# Allegro board 038NC-GRIFFI-V9A_16_20260429.brd (continued)
## Routing (per net, layer and track width the routed paths; a pad name or vN(x,y) marks a point on that pad's centre or on a via; arc(x,y) is an arc through that point) (continued)
S2_NCHG / ATB0_F: length 24.3
  TOP w0.254: SITE2.F26 28.59,210.86 27.5,211.94 v1(27.5,213.78)
  L03_SIGNAL w0.076: UNK2K14.3 25.4,229.91 25.4,223.89 28.07,221.23 28.07,214.35 v1(27.5,213.78)
S2_NCHG / ATB0_S: length 23.8
  L03_SIGNAL w0.076: UNK2TP_NCHG/ATB0_S.1 27.14,231.38 28.8,229.71 28.8,217.16 29.74,216.22 29.74,211.84 28.59,210.68 v3(28.59,209.12)
S2_NPG / ATB1_F: length 26.7
  TOP w0.254: SITE2.F27 28.19,210.24 26.02,212.4 v1(26.02,213.78)
  L03_SIGNAL w0.076: v1(26.02,213.78) 25.22,214.58 25.22,218.91 18.03,226.1 18.03,229.82 UNK2K13.3
S2_NPG / ATB1_S: length 25.8
  L03_SIGNAL w0.076: UNK2K13.6 22.63,228.42 22.63,224.88 26.7,220.82 26.7,212.24 28.19,210.75 v3(28.19,209.12)
S2_NTC: length 42.9
  TOP w0.152: SITE2.S7 SITE2.F7 26.23,206.29 v1(22.63,202.69)
  L03_SIGNAL w0.076: v1(22.63,202.69) 22.63,172.97 27.13,168.47 UNK2TP_NTC.1
S2_NTC_K4K: length 31.6
  TOP w0.152: UNK2K5.3 21.84,167.9 22.99,166.75 27.79,166.75 28.63,167.59 28.63,168.61 UNK2K4.2 28.13,171.1 UNK2K6.3 32.99,169.5 32.99,167.59 33.78,166.8 40.96,166.8 UNK2K7.3
S2_SCL: length 9
  TOP w0.152: v1(35.36,201.57) 31.01,205.92 SITE2.F15 SITE2.S15 ; UNK2TP_SCL.1 UNK2SH40.2
S2_SCL_K9R: length 2.8
  BOTTOM w0.152: UNK2K9.5 42.28,146.94 UNK2R7.2
S2_SDA: length 7.5
  TOP w0.152: v1(32.8,201.57) 30.19,204.18 SITE2.F14 SITE2.S14 ; UNK2TP_SDA.1 UNK2SH41.2
S2_SDA_K9R: length 2.8
  BOTTOM w0.152: UNK2K9.4 38.64,146.94 UNK2R8.2
S2_VBAT_F: length 17.8
  TOP w0.152: SITE2.F1 25.77,208.69 v1(25.12,209.34)
  TOP w1.016: v1(22.62,211.3) 23.16,211.3 v1(25.12,209.34)
  BOTTOM w1.016: UNK2TP_VBAT_F.1 41.61,228.18 40.5,227.07 40.5,225.38 39.49,224.36 38.05,224.36 36.65,225.76 36.65,226.99 35.47,228.18 UNK2K11.3
S2_VBAT_K11C: length 54.1
  L03_SIGNAL w0.076: v1(42.06,178.21) 40.31,179.96 40.31,189.61 34.84,195.08 34.84,199.22 38.79,203.17 38.79,212.7 34.6,216.89 UNK2K11.4
S2_VBAT_K12: length 2.3
  BOTTOM w0.152: UNK2U1.6 33.08,238.15 v1(31.9,238.15)
S2_VBAT_S:
  vias: v3(27.36,208.69)
S2_VBUS_CK: length 6.5
  BOTTOM w0.152: UNK2C2.2 33.17,179.64 33.17,182.11 UNK2K1.3
S2_VSET: length 22
  TOP w0.152: v1(25.18,201.57) 27.79,204.18 SITE2.F8 SITE2.S8 ; UNK2TP_VEST.1 UNK2K3.3
  L03_SIGNAL w0.076: v1(25.18,201.57) 25.18,202.99 23.65,204.52 20.65,204.52 19.74,205.44 17.7,205.44 16.69,206.45 16.69,207.63 UNK2K3.3
S2_VSET_K3R: length 6.1
  BOTTOM w0.152: UNK2R1.2 16.23,201.71 16.23,205.88 UNK2K3.2
S3_AVSS_GS:
  vias: v1(51.62,268.34) v1(60.46,276.2) v1(60.47,274.78)
S3_AVSS_S[01]: length 6
  TOP w0.152: SITE3.S3 54.13,267.89 53.69,268.34 v1(52.62,268.34)
  BOTTOM w0.152: UNK3RS3.2 v1(52.62,268.34)
S3_EPAD2:
  vias: v1(61.46,276.2)
S3_NCHG / ATB0_F: length 23.2
  TOP w0.254: v1(57.5,273.78) 57.5,271.94 58.59,270.86 SITE3.F26
  L03_SIGNAL w0.076: v1(57.5,273.78) 58.07,274.35 58.07,280.19 55.4,282.85 55.4,288.87 UNK3K14.3
S3_NCHG / ATB0_S: length 22.8
  L03_SIGNAL w0.076: v3(58.59,269.12) 58.59,270.37 59.74,271.53 59.74,275.18 58.8,276.12 58.8,288.67 57.14,290.34 UNK3TP_NCHG/ATB0_S.1
S3_NPG / ATB1_F: length 25.7
  TOP w0.254: SITE3.F27 58.19,270.24 56.02,272.4 v1(56.02,273.78)
  L03_SIGNAL w0.076: v1(56.02,273.78) 55.22,274.58 55.22,277.88 48.03,285.06 48.03,288.78 UNK3K13.3
S3_NPG / ATB1_S: length 24.8
  L03_SIGNAL w0.076: UNK3K13.6 52.63,287.38 52.63,283.85 56.7,279.78 56.7,272.87 58.19,271.38 v3(58.19,269.12)
S3_NTC: length 67.2
  TOP w0.152: SITE3.S7 SITE3.F7 56.23,266.29 v1(52.63,262.69)
  L03_SIGNAL w0.076: UNK3TP_NTC.1 53.28,307.08 45.44,299.24 45.44,284.1 46.36,283.18 49.35,283.18 53.27,279.27 53.27,263.32 v1(52.63,262.69)
S3_NTC_K4K: length 31.6
  TOP w0.152: UNK3K5.3 66.69,307.08 65.54,308.23 60.74,308.23 59.9,307.39 59.9,306.37 UNK3K4.2 60.4,303.88 UNK3K6.3 55.53,305.48 55.53,307.39 54.75,308.18 47.57,308.18 UNK3K7.3
S3_SCL: length 9
  TOP w0.152: v1(65.36,261.57) 61.01,265.92 SITE3.F15 SITE3.S15 ; UNK3SH40.2 UNK3TP_SCL.1
S3_SCL_K9R: length 2.8
  TOP w0.152: UNK3K9.5 46.25,328.04 UNK3R7.2
S3_SDA: length 7.5
  TOP w0.152: UNK3SH41.2 UNK3TP_SDA.1 ; v1(62.8,261.57) 60.19,264.18 SITE3.F14 SITE3.S14
S3_SDA_K9R: length 2.8
  TOP w0.152: UNK3K9.4 49.89,328.04 UNK3R8.2
S3_VBAT_F: length 17.8
  TOP w0.152: SITE3.F1 55.77,268.69 v1(55.12,269.34)
  TOP w1.016: v1(55.12,269.34) 53.16,271.3 v1(52.62,271.3)
  BOTTOM w1.016: UNK3TP_VBAT_F.1 71.61,287.14 70.5,286.04 70.5,284.34 69.49,283.33 68.05,283.33 66.65,284.72 66.65,285.95 65.47,287.14 UNK3K10.3
S3_VBAT_K11C: length 2.2
  BOTTOM w0.152: UNK3C6.1 UNK3K11.4
S3_VBAT_K12: length 22.5
  BOTTOM w0.152: UNK3TP_REF_5V.1 73.9,286.78 73.9,289.79 72.6,291.08 67.14,291.08 66.66,291.57 66.66,295.53 65.84,296.34 UNK3U1.6 63.59,297.11 UNK3C9.1
S3_VBAT_S: length 8.4
  BOTTOM w0.152: UNK3TP_VBAT_S.1 67.76,288.24 62.49,288.24 UNK3K10.6
  vias: v3(57.36,268.69)
S3_VBUS_CK: length 8
  BOTTOM w0.152: UNK3K1.3 62.99,242.86 62.99,241.68 60.48,239.17 UNK3C2.2
S3_VSET: length 23.1
  TOP w0.152: UNK3TP_VEST.1 UNK3K3.3 ; v1(55.18,261.57) 57.79,264.18 SITE3.F8 SITE3.S8
  L03_SIGNAL w0.076: UNK3K3.3 46.92,267.4 46.92,262.92 48.27,261.57 v1(55.18,261.57)
S3_VSET_K3R: length 6.1
  BOTTOM w0.152: UNK3K3.2 46.23,265.88 46.23,261.71 UNK3R1.2
S4_AVSS_GS:
  vias: v1(51.62,208.34) v1(60.46,216.2) v1(60.47,214.78)
S4_AVSS_S[01]: length 6
  TOP w0.152: SITE4.S3 54.13,207.89 53.69,208.34 v1(52.62,208.34)
  BOTTOM w0.152: UNK4RS3.2 v1(52.62,208.34)
S4_EPAD2:
  vias: v1(61.46,216.2)
S4_NCHG / ATB0_F: length 24.3
  TOP w0.254: v1(57.5,213.78) 57.5,211.94 58.59,210.86 SITE4.F26
  L03_SIGNAL w0.076: v1(57.5,213.78) 58.07,214.35 58.07,221.23 55.4,223.89 55.4,229.91 UNK4K14.3
S4_NCHG / ATB0_S: length 23.8
  L03_SIGNAL w0.076: v3(58.59,209.12) 58.59,210.68 59.74,211.84 59.74,216.22 58.8,217.16 58.8,229.71 57.14,231.38 UNK4TP_NCHG/ATB0_S.1
S4_NPG / ATB1_F: length 26.7
  TOP w0.254: SITE4.F27 58.19,210.24 56.02,212.4 v1(56.02,213.78)
  L03_SIGNAL w0.076: UNK4K13.3 48.03,229.82 48.03,226.1 55.22,218.91 55.22,214.58 v1(56.02,213.78)
S4_NPG / ATB1_S: length 25.8
  L03_SIGNAL w0.076: UNK4K13.6 52.63,228.42 52.63,224.88 56.7,220.82 56.7,212.24 58.19,210.75 v3(58.19,209.12)
S4_NTC: length 42.9
  TOP w0.152: SITE4.S7 SITE4.F7 56.23,206.29 v1(52.63,202.69)
  L03_SIGNAL w0.076: UNK4TP_NTC.1 57.13,168.42 52.63,172.92 v1(52.63,202.69)
S4_NTC_K4K: length 31.6
  TOP w0.152: UNK4K7.3 70.96,166.8 63.78,166.8 62.99,167.59 62.99,169.5 UNK4K6.3 58.13,171.1 UNK4K4.2 58.62,168.61 58.62,167.59 57.79,166.75 52.99,166.75 51.84,167.9 UNK4K5.3
S4_SCL: length 9
  TOP w0.152: UNK4TP_SCL.1 UNK4SH40.2 ; SITE4.S15 SITE4.F15 61.01,205.92 v1(65.36,201.57)
S4_SCL_K9R: length 2.8
  BOTTOM w0.152: UNK4K9.5 72.28,146.94 UNK4R7.2
S4_SDA: length 7.5
  TOP w0.152: SITE4.S14 SITE4.F14 60.19,204.18 v1(62.8,201.57) ; UNK4TP_SDA.1 UNK4SH41.2
S4_SDA_K9R: length 2.8
  BOTTOM w0.152: UNK4K9.4 68.64,146.94 UNK4R8.2
S4_VBAT_F: length 17.8
  TOP w0.152: v1(55.12,209.34) 55.77,208.69 SITE4.F1
  TOP w1.016: v1(55.12,209.34) 53.16,211.3 v1(52.62,211.3)
  BOTTOM w1.016: UNK4K11.3 65.47,228.18 66.65,226.99 66.65,225.76 68.05,224.36 69.49,224.36 70.5,225.38 70.5,227.07 71.61,228.18 UNK4TP_VBAT_F.1
S4_VBAT_K11C: length 54.1
  L03_SIGNAL w0.076: v1(72.06,178.21) 70.31,179.96 70.31,189.61 64.84,195.08 64.84,199.22 68.79,203.17 68.79,212.7 64.59,216.89 UNK4K11.4
S4_VBAT_K12: length 2.3
  BOTTOM w0.152: UNK4U1.6 63.08,238.15 UNK4C9.1
S4_VBAT_S:
  vias: v3(57.36,208.69)
S4_VBUS_CK: length 6.5
  BOTTOM w0.152: UNK4K1.3 63.17,182.11 63.17,179.64 UNK4C2.2
S4_VSET: length 22
  TOP w0.152: v1(55.18,201.57) 57.79,204.18 SITE4.F8 SITE4.S8 ; UNK4TP_VEST.1 UNK4K3.3
  L03_SIGNAL w0.076: v1(55.18,201.57) 55.18,202.99 53.65,204.52 50.65,204.52 49.74,205.44 47.7,205.44 46.69,206.45 46.69,207.63 UNK4K3.3
S4_VSET_K3R: length 6.1
  BOTTOM w0.152: UNK4K3.2 46.23,205.88 46.23,201.71 UNK4R1.2
S5_AVSS_GS:
  vias: v1(81.62,268.34) v1(90.46,276.2) v1(90.47,274.78)
S5_AVSS_S[01]: length 6
  TOP w0.152: v1(82.62,268.34) 83.69,268.34 84.13,267.89 SITE5.S3
  BOTTOM w0.152: UNK5RS3.2 v1(82.62,268.34)
S5_EPAD2:
  vias: v1(91.46,276.2)
S5_NCHG / ATB0_F: length 23.2
  TOP w0.254: SITE5.F26 88.59,270.86 87.5,271.94 v1(87.5,273.78)
  L03_SIGNAL w0.076: UNK5K14.3 85.4,288.87 85.4,282.85 88.07,280.19 88.07,274.35 v1(87.5,273.78)
S5_NCHG / ATB0_S: length 22.8
  L03_SIGNAL w0.076: UNK5TP_NCHG/ATB0_S.1 87.13,290.34 88.8,288.67 88.8,276.12 89.74,275.18 89.74,271.53 88.59,270.37 v3(88.59,269.12)
S5_NPG / ATB1_F: length 25.7
  TOP w0.254: v1(86.02,273.78) 86.02,272.4 88.18,270.24 SITE5.F27
  L03_SIGNAL w0.076: v1(86.02,273.78) 85.22,274.58 85.22,277.88 78.03,285.06 78.03,288.78 UNK5K13.3
S5_NPG / ATB1_S: length 24.8
  L03_SIGNAL w0.076: UNK5K13.6 82.63,287.38 82.63,283.85 86.7,279.78 86.7,272.87 88.18,271.38 v3(88.18,269.12)
S5_NTC: length 67.1
  TOP w0.152: v1(82.63,262.69) 86.23,266.29 SITE5.F7 SITE5.S7
  L03_SIGNAL w0.076: UNK5TP_NTC.1 83.48,307.08 75.44,299.04 75.44,284.1 76.36,283.18 79.35,283.18 83.27,279.27 83.27,263.32 v1(82.63,262.69)
S5_NTC_K4K: length 31.6
  TOP w0.152: UNK5K7.3 77.57,308.18 84.75,308.18 85.53,307.39 85.53,305.48 UNK5K6.3 90.4,303.88 UNK5K4.2 89.9,306.37 89.9,307.39 90.74,308.23 95.54,308.23 96.69,307.08 UNK5K5.3
S5_SCL: length 9
  TOP w0.152: v1(95.36,261.57) 91.01,265.92 SITE5.F15 SITE5.S15 ; UNK5SH40.2 UNK5TP_SCL.1
S5_SCL_K9R: length 2.8
  BOTTOM w0.152: UNK5R7.2 76.25,328.04 UNK5K9.5
S5_SDA: length 7.5
  TOP w0.152: UNK5SH41.2 UNK5TP_SDA.1 ; SITE5.S14 SITE5.F14 90.18,264.18 v1(92.8,261.57)
S5_SDA_K9R: length 2.8
  BOTTOM w0.152: UNK5R8.2 79.89,328.04 UNK5K9.4
S5_VBAT_F: length 17.8
  TOP w0.152: v1(85.12,269.34) 85.77,268.69 SITE5.F1
  TOP w1.016: v1(85.12,269.34) 83.16,271.3 v1(82.62,271.3)
  BOTTOM w1.016: UNK5K10.3 95.47,287.14 96.65,285.95 96.65,284.72 98.05,283.33 99.49,283.33 100.5,284.34 100.5,286.04 101.61,287.14 UNK5TP_VBAT_F.1
S5_VBAT_K11C: length 2.2
  BOTTOM w0.152: UNK5C6.1 UNK5K11.4
S5_VBAT_K12: length 22.5
  BOTTOM w0.152: UNK5C9.1 93.59,297.11 UNK5U1.6 95.84,296.34 96.66,295.53 96.66,291.57 97.14,291.08 102.6,291.08 103.9,289.79 103.9,286.78 UNK5TP_REF_5V.1
S5_VBAT_S: length 8.4
  BOTTOM w0.152: UNK5K10.6 92.49,288.24 97.76,288.24 UNK5TP_VBAT_S.1
  vias: v3(87.36,268.69)
S5_VBUS_CK: length 8
  BOTTOM w0.152: UNK5C2.2 90.51,239.17 93.07,241.73 93.07,242.94 UNK5K1.3
S5_VSET: length 23.1
  TOP w0.152: v1(85.18,261.57) 87.79,264.18 SITE5.F8 SITE5.S8 ; UNK5TP_VEST.1 UNK5K3.3
  L03_SIGNAL w0.076: UNK5K3.3 76.92,267.4 76.92,262.92 78.27,261.57 v1(85.18,261.57)
S5_VSET_K3R: length 6.1
  BOTTOM w0.152: UNK5R1.2 76.23,261.71 76.23,265.88 UNK5K3.2
S6_AVSS_GS:
  vias: v1(81.62,208.34) v1(90.46,216.2) v1(90.47,214.78)
S6_AVSS_S[01]: length 6
  TOP w0.152: v1(82.62,208.34) 83.69,208.34 84.13,207.89 SITE6.S3
  BOTTOM w0.152: UNK6RS3.2 v1(82.62,208.34)
S6_EPAD2:
  vias: v1(91.46,216.2)
S6_NCHG / ATB0_F: length 24.3
  TOP w0.254: v1(87.5,213.78) 87.5,211.94 88.59,210.86 SITE6.F26
  L03_SIGNAL w0.076: v1(87.5,213.78) 88.07,214.35 88.07,221.23 85.4,223.89 85.4,229.91 UNK6K14.3
S6_NCHG / ATB0_S: length 23.8
  L03_SIGNAL w0.076: v3(88.59,209.12) 88.59,210.68 89.74,211.84 89.74,216.22 88.8,217.16 88.8,229.71 87.13,231.38 UNK6TP_NCHG/ATB0_S.1
S6_NPG / ATB1_F: length 26.7
  TOP w0.254: SITE6.F27 88.18,210.24 86.02,212.4 v1(86.02,213.78)
  L03_SIGNAL w0.076: v1(86.02,213.78) 85.22,214.58 85.22,218.91 78.03,226.1 78.03,229.82 UNK6K13.3
S6_NPG / ATB1_S: length 25.8
  L03_SIGNAL w0.076: v3(88.18,209.12) 88.18,210.75 86.7,212.24 86.7,220.82 82.63,224.88 82.63,228.42 UNK6K13.6
S6_NTC: length 42.9
  TOP w0.152: v1(82.63,202.69) 86.23,206.29 SITE6.F7 SITE6.S7
  L03_SIGNAL w0.076: v1(82.63,202.69) 82.63,173.05 87.13,168.54 UNK6TP_NTC.1
S6_NTC_K4K: length 31.6
  TOP w0.152: UNK6K7.3 100.96,166.8 93.78,166.8 92.99,167.59 92.99,169.5 UNK6K6.3 88.13,171.1 UNK6K4.2 88.62,168.61 88.62,167.59 87.79,166.75 82.99,166.75 81.83,167.9 UNK6K5.3
S6_SCL: length 9
  TOP w0.152: v1(95.36,201.57) 91.01,205.92 SITE6.F15 SITE6.S15 ; UNK6TP_SCL.1 UNK6SH40.2
S6_SCL_K9R: length 2.8
  BOTTOM w0.152: UNK6R7.2 102.28,146.94 UNK6K9.5
S6_SDA: length 7.5
  TOP w0.152: UNK6TP_SDA.1 UNK6SH41.2 ; v1(92.8,201.57) 90.18,204.18 SITE6.F14 SITE6.S14
S6_SDA_K9R: length 2.8
  BOTTOM w0.152: UNK6R8.2 98.64,146.94 UNK6K9.4
S6_VBAT_F: length 17.8
  TOP w0.152: 85.12,209.34 85.77,208.69 SITE6.F1
  TOP w1.016: 85.12,209.34 83.16,211.3 v1(82.62,211.3)
  BOTTOM w1.016: UNK6K11.3 95.47,228.18 96.65,226.99 96.65,225.76 98.05,224.36 99.49,224.36 100.5,225.38 100.5,227.07 101.61,228.18 UNK6TP_VBAT_F.1
S6_VBAT_K11C: length 54.1
  L03_SIGNAL w0.076: UNK6K11.4 94.59,216.89 98.79,212.7 98.79,203.17 94.84,199.22 94.84,195.08 100.31,189.61 100.31,179.96 v1(102.06,178.21)
S6_VBAT_K12: length 2.3
  BOTTOM w0.152: UNK6C9.1 93.08,238.15 UNK6U1.6
S6_VBAT_S:
  vias: v3(87.36,208.69)
S6_VBUS_CK: length 6.5
  BOTTOM w0.152: UNK6K1.3 93.17,182.11 93.17,179.64 UNK6C2.2
S6_VSET: length 22
  TOP w0.152: SITE6.S8 SITE6.F8 87.79,204.18 v1(85.18,201.57) ; UNK6TP_VEST.1 UNK6K3.3
  L03_SIGNAL w0.076: UNK6K3.3 76.69,207.63 76.69,206.45 77.7,205.44 79.74,205.44 80.65,204.52 83.65,204.52 85.18,202.99 v1(85.18,201.57)
S6_VSET_K3R: length 6.1
  BOTTOM w0.152: UNK6K3.2 76.23,205.88 76.23,201.71 UNK6R1.2
S7_AVSS_GS:
  vias: v1(111.62,268.34) v1(120.46,276.2) v1(120.47,274.78)
S7_AVSS_S[01]: length 6
  TOP w0.152: v1(112.62,268.34) 113.69,268.34 114.13,267.89 SITE7.S3
  BOTTOM w0.152: UNK7RS3.2 v1(112.62,268.34)
S7_EPAD2:
  vias: v1(121.46,276.2)
S7_NCHG / ATB0_F: length 23.2
  TOP w0.254: SITE7.F26 118.58,270.86 117.5,271.94 v1(117.5,273.78)
  L03_SIGNAL w0.076: v1(117.5,273.78) 118.07,274.35 118.07,280.19 115.4,282.85 115.4,288.87 UNK7K14.3
S7_NCHG / ATB0_S: length 22.8
  L03_SIGNAL w0.076: v3(118.58,269.12) 118.58,270.37 119.74,271.53 119.74,275.18 118.8,276.12 118.8,288.67 117.13,290.34 UNK7TP_NCHG/ATB0_S.1
S7_NPG / ATB1_F: length 25.7
  TOP w0.254: v1(116.02,273.78) 116.02,272.4 118.18,270.24 SITE7.F27
  L03_SIGNAL w0.076: v1(116.02,273.78) 115.22,274.58 115.22,277.88 108.03,285.06 108.03,288.78 UNK7K13.3
S7_NPG / ATB1_S: length 24.8
  L03_SIGNAL w0.076: v3(118.18,269.12) 118.18,271.38 116.7,272.87 116.7,279.78 112.63,283.85 112.63,287.38 UNK7K13.6
S7_NTC: length 67.1
  TOP w0.152: v1(112.63,262.69) 116.23,266.29 SITE7.F7 SITE7.S7
  L03_SIGNAL w0.076: UNK7TP_NTC.1 113.48,307.08 105.44,299.04 105.44,284.1 106.36,283.18 109.35,283.18 113.27,279.27 113.27,263.32 v1(112.63,262.69)
S7_NTC_K4K: length 31.6
  TOP w0.152: UNK7K5.3 126.69,307.08 125.54,308.23 120.74,308.23 119.9,307.39 119.9,306.37 UNK7K4.2 120.39,303.88 UNK7K6.3 115.53,305.48 115.53,307.39 114.75,308.18 107.57,308.18 UNK7K7.3
S7_SCL: length 9
  TOP w0.152: v1(125.36,261.57) 121.01,265.92 SITE7.F15 SITE7.S15 ; UNK7SH40.2 UNK7TP_SCL.1
S7_SCL_K9R: length 2.8
  BOTTOM w0.152: UNK7K9.5 106.25,328.04 UNK7R7.2
S7_SDA: length 7.5
  TOP w0.152: SITE7.S14 SITE7.F14 120.18,264.18 v1(122.8,261.57) ; UNK7SH41.2 UNK7TP_SDA.1
S7_SDA_K9R: length 2.8
  BOTTOM w0.152: UNK7K9.4 109.89,328.04 UNK7R8.2
S7_VBAT_F: length 17.8
  TOP w0.152: v1(115.12,269.34) 115.77,268.69 SITE7.F1
  TOP w1.016: v1(112.62,271.3) 113.16,271.3 v1(115.12,269.34)
  BOTTOM w1.016: UNK7K10.3 125.47,287.14 126.65,285.95 126.65,284.72 128.05,283.33 129.49,283.33 130.5,284.34 130.5,286.04 131.61,287.14 UNK7TP_VBAT_F.1
S7_VBAT_K11C: length 2.2
  BOTTOM w0.152: UNK7C6.1 UNK7K11.4
S7_VBAT_K12: length 22.5
  BOTTOM w0.152: UNK7TP_REF_5V.1 133.9,286.78 133.9,289.79 132.6,291.08 127.14,291.08 126.66,291.57 126.66,295.53 125.84,296.34 UNK7U1.6 123.59,297.11 UNK7C9.1
S7_VBAT_S: length 8.4
  BOTTOM w0.152: UNK7K10.6 122.49,288.24 127.76,288.24 UNK7TP_VBAT_S.1
  vias: v3(117.36,268.69)
S7_VBUS_CK: length 8.2
  BOTTOM w0.152: UNK7C2.2 120.83,239.17 122.83,241.17 122.83,242.71 UNK7K1.3
S7_VSET: length 23.1
  TOP w0.152: SITE7.S8 SITE7.F8 117.79,264.18 v1(115.18,261.57) ; UNK7TP_VEST.1 UNK7K3.3
  L03_SIGNAL w0.076: UNK7K3.3 106.92,267.4 106.92,262.92 108.27,261.57 v1(115.18,261.57)
S7_VSET_K3R: length 6.1
  BOTTOM w0.152: UNK7R1.2 106.23,261.71 106.23,265.88 UNK7K3.2
S8_AVSS_GS:
  vias: v1(111.62,208.34) v1(120.46,216.2) v1(120.47,214.78)
S8_AVSS_S[01]: length 6
  TOP w0.152: SITE8.S3 114.13,207.89 113.69,208.34 v1(112.62,208.34)
  BOTTOM w0.152: UNK8RS3.2 v1(112.62,208.34)
S8_EPAD2:
  vias: v1(121.46,216.2)
S8_NCHG / ATB0_F: length 24.3
  TOP w0.254: v1(117.5,213.78) 117.5,211.94 118.58,210.86 SITE8.F26
  L03_SIGNAL w0.076: v1(117.5,213.78) 118.07,214.35 118.07,221.23 115.4,223.89 115.4,229.91 UNK8K14.3
S8_NCHG / ATB0_S: length 23.8
  L03_SIGNAL w0.076: UNK8TP_NCHG/ATB0_S.1 117.13,231.38 118.8,229.71 118.8,217.16 119.74,216.22 119.74,211.84 118.58,210.68 v3(118.58,209.12)
S8_NPG / ATB1_F: length 26.7
  TOP w0.254: v1(116.02,213.78) 116.02,212.4 118.18,210.24 SITE8.F27
  L03_SIGNAL w0.076: v1(116.02,213.78) 115.22,214.58 115.22,218.91 108.03,226.1 108.03,229.82 UNK8K13.3
S8_NPG / ATB1_S: length 25.8
  L03_SIGNAL w0.076: UNK8K13.6 112.63,228.42 112.63,224.88 116.7,220.82 116.7,212.24 118.18,210.75 v3(118.18,209.12)
S8_NTC: length 42.9
  TOP w0.152: SITE8.S7 SITE8.F7 116.23,206.29 v1(112.63,202.69)
  L03_SIGNAL w0.076: UNK8TP_NTC.1 117.13,168.39 112.63,172.89 v1(112.63,202.69)
S8_NTC_K4K: length 31.6
  TOP w0.152: UNK8K7.3 130.96,166.8 123.78,166.8 122.99,167.59 122.99,169.5 UNK8K6.3 118.13,171.1 UNK8K4.2 118.62,168.61 118.62,167.59 117.79,166.75 112.99,166.75 111.83,167.9 UNK8K5.3
S8_SCL: length 9
  TOP w0.152: v1(125.36,201.57) 121.01,205.92 SITE8.F15 SITE8.S15 ; UNK8TP_SCL.1 UNK8SH40.2
S8_SCL_K9R: length 2.8
  BOTTOM w0.152: UNK8K9.5 132.28,146.94 UNK8R7.2
S8_SDA: length 7.5
  TOP w0.152: SITE8.S14 SITE8.F14 120.18,204.18 v1(122.8,201.57) ; UNK8TP_SDA.1 UNK8SH41.2
S8_SDA_K9R: length 2.8
  BOTTOM w0.152: UNK8K9.4 128.64,146.94 UNK8R8.2
S8_VBAT_F: length 17.8
  TOP w0.152: v1(115.12,209.34) 115.77,208.69 SITE8.F1
  TOP w1.016: v1(112.62,211.3) 113.16,211.3 v1(115.12,209.34)
  BOTTOM w1.016: UNK8TP_VBAT_F.1 131.61,228.18 130.5,227.07 130.5,225.38 129.49,224.36 128.05,224.36 126.65,225.76 126.65,226.99 125.47,228.18 UNK8K11.3
S8_VBAT_K11C: length 54.1
  L03_SIGNAL w0.076: UNK8K11.4 124.59,216.89 128.79,212.7 128.79,203.17 124.84,199.22 124.84,195.08 130.31,189.61 130.31,179.96 v1(132.06,178.21)
S8_VBAT_K12: length 2.3
  BOTTOM w0.152: UNK8U1.6 123.08,238.15 UNK8C9.1
S8_VBAT_S:
  vias: v3(117.36,208.69)
S8_VBUS_CK: length 6.5
  BOTTOM w0.152: UNK8C2.2 123.17,179.64 123.17,182.11 UNK8K1.3
S8_VSET: length 22
  TOP w0.152: SITE8.S8 SITE8.F8 117.79,204.18 v1(115.18,201.57) ; UNK8K3.3 UNK8TP_VEST.1
  L03_SIGNAL w0.076: v1(115.18,201.57) 115.18,202.99 113.65,204.52 110.65,204.52 109.74,205.44 107.7,205.44 106.69,206.45 106.69,207.63 UNK8K3.3
S8_VSET_K3R: length 6.1
  BOTTOM w0.152: v1(106.01,201.49) 106.23,201.71 106.23,205.88 UNK8K3.2
S9_AVSS_GS:
  vias: v1(141.62,268.34) v1(150.46,276.2) v1(150.47,274.78)
S9_AVSS_S[01]: length 6
  TOP w0.152: SITE9.S3 144.13,267.89 143.69,268.34 v1(142.62,268.34)
  BOTTOM w0.152: UNK9RS3.2 v1(142.62,268.34)
S9_EPAD2:
  vias: v1(151.46,276.2)
S9_NCHG / ATB0_F: length 23.2
  TOP w0.254: SITE9.F26 148.58,270.86 147.5,271.94 v1(147.5,273.78)
  L03_SIGNAL w0.076: v1(147.5,273.78) 148.07,274.35 148.07,280.19 145.4,282.85 145.4,288.87 UNK9K14.3
S9_NCHG / ATB0_S: length 22.8
  L03_SIGNAL w0.076: UNK9TP_NCHG/ATB0_S.1 147.13,290.34 148.8,288.67 148.8,276.12 149.74,275.18 149.74,271.53 148.58,270.37 v3(148.58,269.12)
S9_NPG / ATB1_F: length 25.7
  TOP w0.254: SITE9.F27 148.18,270.24 146.02,272.4 v1(146.02,273.78)
  L03_SIGNAL w0.076: v1(146.02,273.78) 145.22,274.58 145.22,277.88 138.03,285.06 138.03,288.78 UNK9K13.3
S9_NPG / ATB1_S: length 24.8
  L03_SIGNAL w0.076: UNK9K13.6 142.63,287.38 142.63,283.85 146.7,279.78 146.7,272.87 148.18,271.38 v3(148.18,269.12)
S9_NTC: length 67.1
  TOP w0.152: v1(142.63,262.69) 146.23,266.29 SITE9.F7 SITE9.S7
  L03_SIGNAL w0.076: v1(142.63,262.69) 143.27,263.32 143.27,279.27 139.35,283.18 136.36,283.18 135.44,284.1 135.44,298.97 143.55,307.08 UNK9TP_NTC.1
S9_NTC_K4K: length 31.6
  TOP w0.152: UNK9K5.3 156.69,307.08 155.54,308.23 150.74,308.23 149.9,307.39 149.9,306.37 UNK9K4.2 150.39,303.88 UNK9K6.3 145.53,305.48 145.53,307.39 144.75,308.18 137.57,308.18 UNK9K7.3
S9_SCL: length 9
  TOP w0.152: UNK9SH40.2 UNK9TP_SCL.1 ; SITE9.S15 SITE9.F15 151.01,265.92 v1(155.36,261.57)
S9_SCL_K9R: length 2.8
  BOTTOM w0.152: UNK9K9.5 136.25,328.04 UNK9R7.2
S9_SDA: length 7.5
  TOP w0.152: SITE9.S14 SITE9.F14 150.18,264.18 v1(152.79,261.57) ; UNK9SH41.2 UNK9TP_SDA.1
S9_SDA_K9R: length 2.8
  BOTTOM w0.152: UNK9K9.4 139.89,328.04 UNK9R8.2
S9_VBAT_F: length 17.8
  TOP w0.152: SITE9.F1 145.77,268.69 v1(145.12,269.34)
  TOP w1.016: v1(142.62,271.3) 143.16,271.3 v1(145.12,269.34)
  BOTTOM w1.016: UNK9TP_VBAT_F.1 161.6,287.14 160.5,286.04 160.5,284.34 159.49,283.33 158.05,283.33 156.65,284.72 156.65,285.95 155.47,287.14 UNK9K10.3
S9_VBAT_K11C: length 2.2
  BOTTOM w0.152: UNK9C6.1 UNK9K11.4
S9_VBAT_K12: length 22.5
  BOTTOM w0.152: UNK9C9.1 153.59,297.11 UNK9U1.6 155.84,296.34 156.66,295.53 156.66,291.57 157.14,291.08 162.6,291.08 163.9,289.79 163.9,286.78 UNK9TP_REF_5V.1
S9_VBAT_S: length 8.4
  BOTTOM w0.152: UNK9TP_VBAT_S.1 157.76,288.24 152.49,288.24 UNK9K10.6
  vias: v3(147.36,268.69)
S9_VBUS_CK: length 8.2
  BOTTOM w0.152: UNK9C2.2 150.91,239.17 152.78,241.05 152.78,242.65 UNK9K1.3
S9_VSET: length 23.1
  TOP w0.152: SITE9.S8 SITE9.F8 147.79,264.18 v1(145.17,261.57) ; UNK9TP_VEST.1 UNK9K3.3
  L03_SIGNAL w0.076: v1(145.17,261.57) 138.27,261.57 136.92,262.92 136.92,267.4 UNK9K3.3
S9_VSET_K3R: length 6.1
  BOTTOM w0.152: UNK9K3.2 136.23,265.88 136.23,261.71 UNK9R1.2
S10_AVSS_GS:
  vias: v1(141.62,208.34) v1(150.46,216.2) v1(150.47,214.78)
S10_AVSS_S[01]: length 6
  TOP w0.152: SITE10.S3 144.13,207.89 143.69,208.34 v1(142.62,208.34)
  BOTTOM w0.152: UNK10RS3.2 v1(142.62,208.34)
S10_EPAD2:
  vias: v1(151.46,216.2)
S10_NCHG / ATB0_F: length 24.3
  TOP w0.254: v1(147.5,213.78) 147.5,211.94 148.58,210.86 SITE10.F26
  L03_SIGNAL w0.076: v1(147.5,213.78) 148.07,214.35 148.07,221.23 145.4,223.89 145.4,229.91 UNK10K14.3
S10_NCHG / ATB0_S: length 23.8
  L03_SIGNAL w0.076: UNK10TP_NCHG/ATB0_S.1 147.13,231.38 148.8,229.71 148.8,217.16 149.74,216.22 149.74,211.84 148.58,210.68 v3(148.58,209.12)
S10_NPG / ATB1_F: length 26.7
  TOP w0.254: v1(146.02,213.78) 146.02,212.4 148.18,210.24 SITE10.F27
  L03_SIGNAL w0.076: UNK10K13.3 138.03,229.82 138.03,226.1 145.22,218.91 145.22,214.58 v1(146.02,213.78)
S10_NPG / ATB1_S: length 25.8
  L03_SIGNAL w0.076: UNK10K13.6 142.63,228.42 142.63,224.88 146.7,220.82 146.7,212.24 148.18,210.75 v3(148.18,209.12)
S10_NTC: length 42.9
  TOP w0.152: SITE10.S7 SITE10.F7 146.23,206.29 v1(142.63,202.69)
  L03_SIGNAL w0.076: UNK10TP_NTC.1 147.13,168.41 142.63,172.91 v1(142.63,202.69)
S10_NTC_K4K: length 31.6
  TOP w0.152: UNK10K7.3 160.96,166.8 153.78,166.8 152.99,167.59 152.99,169.5 UNK10K6.3 148.13,171.1 UNK10K4.2 148.62,168.61 148.62,167.59 147.79,166.75 142.99,166.75 141.83,167.9 UNK10K5.3
S10_SCL: length 9
  TOP w0.152: v1(155.36,201.57) 151.01,205.92 SITE10.F15 SITE10.S15 ; UNK10TP_SCL.1 UNK10SH40.2
S10_SCL_K9R: length 2.8
  BOTTOM w0.152: UNK10R7.2 162.28,146.94 UNK10K9.5
S10_SDA: length 7.5
  TOP w0.152: v1(152.79,201.57) 150.18,204.18 SITE10.F14 SITE10.S14 ; UNK10TP_SDA.1 UNK10SH41.2
S10_SDA_K9R: length 2.8
  BOTTOM w0.152: UNK10R8.2 158.64,146.94 UNK10K9.4
S10_VBAT_F: length 17.8
  TOP w0.152: SITE10.F1 145.77,208.69 v1(145.12,209.34)
  TOP w1.016: v1(145.12,209.34) 143.16,211.3 v1(142.62,211.3)
  BOTTOM w1.016: UNK10TP_VBAT_F.1 161.6,228.18 160.5,227.07 160.5,225.38 159.49,224.36 158.05,224.36 156.65,225.76 156.65,226.99 155.47,228.18 UNK10K11.3
S10_VBAT_K11C: length 54.1
  L03_SIGNAL w0.076: v1(162.06,178.21) 160.31,179.96 160.31,189.61 154.84,195.08 154.84,199.22 158.79,203.17 158.79,212.7 154.59,216.89 UNK10K11.4
S10_VBAT_K12: length 2.3
  BOTTOM w0.152: UNK10U1.6 153.08,238.15 UNK10C9.1
S10_VBAT_S:
  vias: v3(147.36,208.69)
S10_VBUS_CK: length 6.5
  BOTTOM w0.152: UNK10C2.2 153.17,179.64 153.17,182.11 UNK10K1.3
S10_VSET: length 22
  TOP w0.152: UNK10TP_VEST.1 UNK10K3.3 ; SITE10.S8 SITE10.F8 147.79,204.18 v1(145.17,201.57)
  L03_SIGNAL w0.076: UNK10K3.3 136.69,207.63 136.69,206.45 137.7,205.44 139.74,205.44 140.65,204.52 143.65,204.52 145.17,202.99 v1(145.17,201.57)
S10_VSET_K3R: length 6.1
  BOTTOM w0.152: UNK10K3.2 136.23,205.88 136.23,201.71 UNK10R1.2
S11_AVSS_GS:
  vias: v1(171.62,268.34) v1(180.46,276.2) v1(180.47,274.78)
S11_AVSS_S[01]: length 6
  TOP w0.152: SITE11.S3 174.13,267.89 173.69,268.34 v1(172.62,268.34)
  BOTTOM w0.152: UNK11RS3.2 v1(172.62,268.34)
S11_EPAD2:
  vias: v1(181.46,276.2)
S11_NCHG / ATB0_F: length 23.2
  TOP w0.254: SITE11.F26 178.58,270.86 177.5,271.94 v1(177.5,273.78)
  L03_SIGNAL w0.076: UNK11K14.3 175.4,288.87 175.4,282.85 178.07,280.19 178.07,274.35 v1(177.5,273.78)
S11_NCHG / ATB0_S: length 22.8
  L03_SIGNAL w0.076: UNK11TP_NCHG/ATB0_S.1 177.13,290.34 178.8,288.67 178.8,276.12 179.74,275.18 179.74,271.53 178.58,270.37 v3(178.58,269.12)